# KiCad board The Typeuwu.kicad_pcb
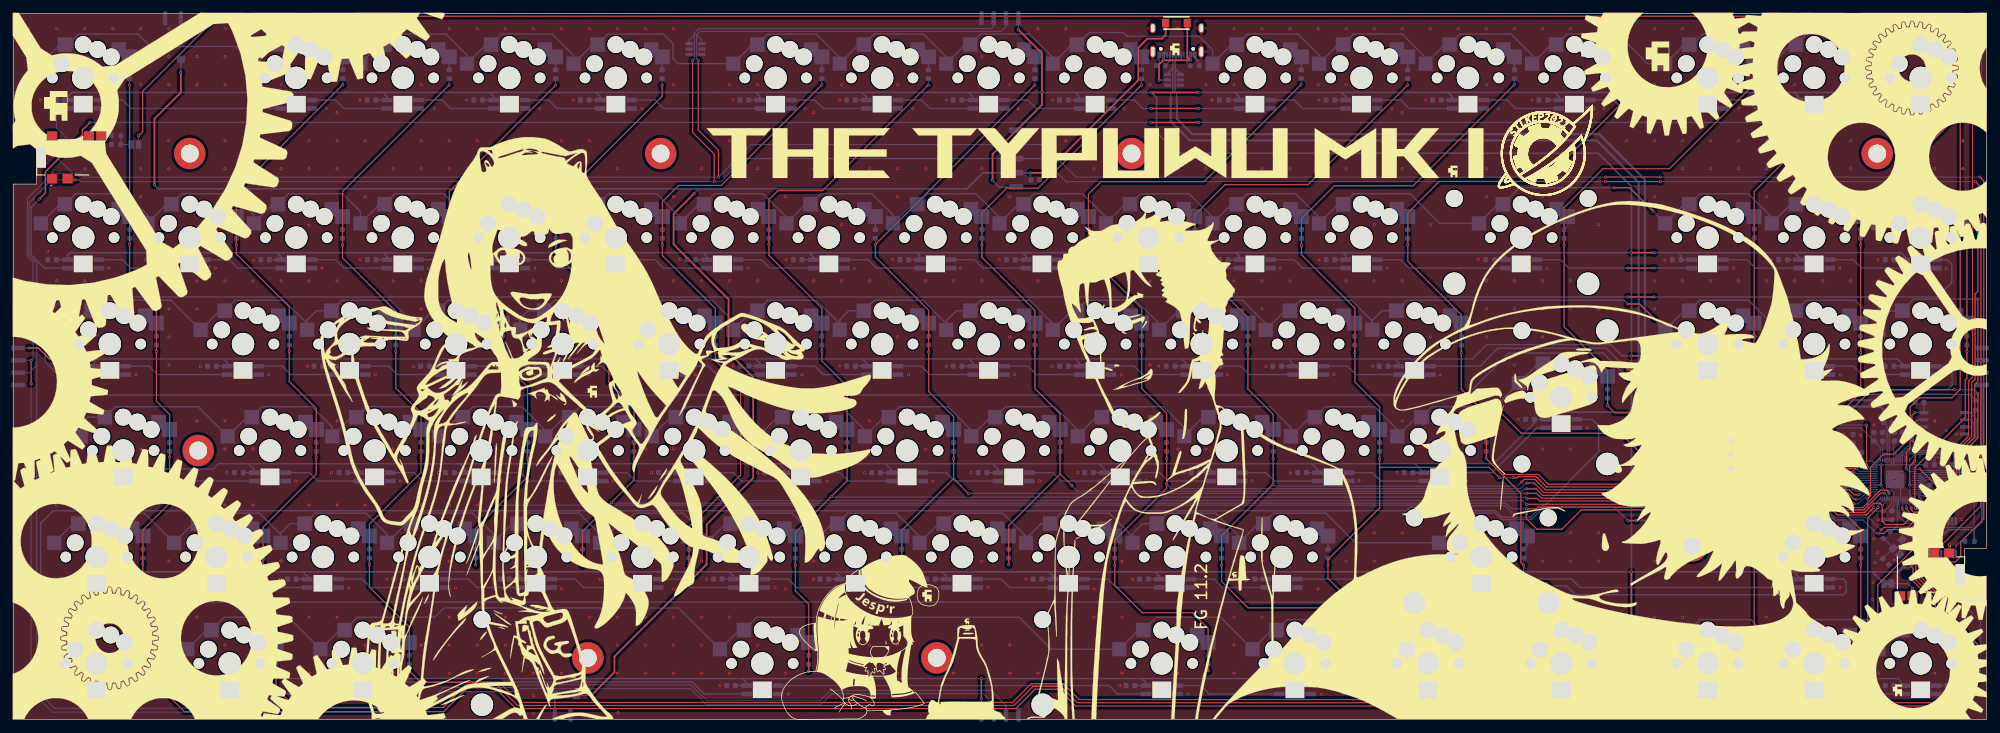
[diagram p0: board, top side]
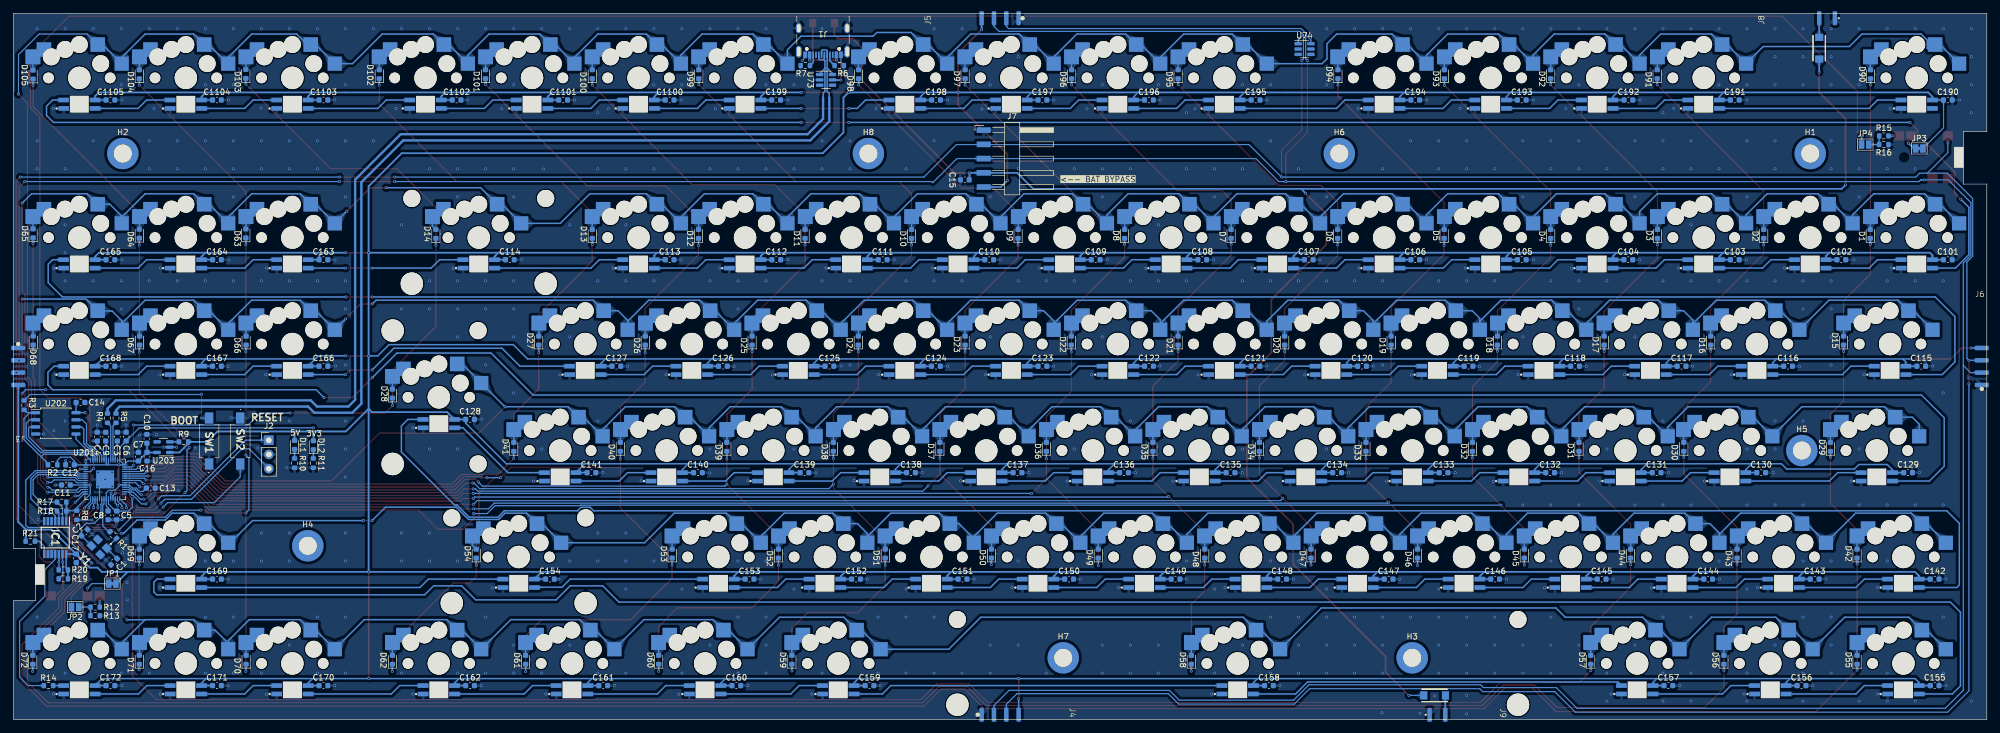
[diagram p1: board, bottom side, seen from below]

Outline 352 x 126 mm; copper layers: Top, In1.Cu, In2.Cu, Bottom. Coordinates in mm from the lower left corner of the outline.
Outline path: 0,126 352,126 352,30.55 348.1,30.55 348.1,21.2 352,21.2 352,0 0,0 0,95.55 4.2,95.55 4.2,104.9 0,104.9 0,126
Stack: Top 0.035mm / dielectric 0.2104mm FR4 er 4.6 / In1.Cu 0.0152mm / dielectric 1.065mm FR4 er 4.6 / In2.Cu 0.0152mm / dielectric 0.2104mm FR4 er 4.6 / Bottom 0.035mm

## Placement (name value [footprint] x y rotation side)
C1  8pF  [C_0603_1608Metric]  334.05 28.15 135 bottom
C2  8pF  [C_0603_1608Metric]  339.35 33.38 315 bottom
C3  1u  [C_0603_1608Metric]  333.48 50.48 90 bottom
C4  100nF  [C_0603_1608Metric]  337.05 50.48 90 bottom
C5  100nF  [C_0603_1608Metric]  333.57 36.42 270 bottom
C6  1u  [C_0603_1608Metric]  331.9 50.48 90 bottom
C7  100nF  [C_0603_1608Metric]  329.7 46.9 90 bottom
C8  100nF  [C_0603_1608Metric]  335.12 36.42 270 bottom
C9  100nF  [C_0603_1608Metric]  335.55 50.48 90 bottom
C10  100nF  [C_0603_1608Metric]  328.2 50.1 90 bottom
C11  100nF  [C_0603_1608Metric]  342.65 41.85 0 bottom
C12  100nF  [C_0603_1608Metric]  341.93 45.45 0 bottom
C13  100nF  [C_0603_1608Metric]  327.5 41.3 180 bottom
C14  100nF  [C_0603_1608Metric]  340.05 56.58 180 bottom
C15  1u  [C_0603_1608Metric]  182.3 96.3 0 bottom
C16  1u  [C_0603_1608Metric]  328.18 46.9 270 bottom
C17  100nF  [C_0603_1608Metric]  340.8 28.77 270 bottom
C101  100nF  [C_0603_1608Metric]  6.95 82.05 180 bottom
C102  100nF  [C_0603_1608Metric]  25.95 82.05 180 bottom
C103  100nF  [C_0603_1608Metric]  44.95 82.05 180 bottom
C104  100nF  [C_0603_1608Metric]  63.95 82.05 180 bottom
C105  100nF  [C_0603_1608Metric]  82.95 82.05 180 bottom
C106  100nF  [C_0603_1608Metric]  101.95 82.05 180 bottom
C107  100nF  [C_0603_1608Metric]  120.95 82.05 180 bottom
C108  100nF  [C_0603_1608Metric]  139.95 82.05 180 bottom
C109  100nF  [C_0603_1608Metric]  158.95 82.05 180 bottom
C110  100nF  [C_0603_1608Metric]  177.95 82.05 180 bottom
C111  100nF  [C_0603_1608Metric]  196.95 82.05 180 bottom
C112  100nF  [C_0603_1608Metric]  215.93 82.05 180 bottom
C113  100nF  [C_0603_1608Metric]  234.95 82.05 180 bottom
C114  100nF  [C_0603_1608Metric]  263.45 82.05 180 bottom
C115  100nF  [C_0603_1608Metric]  11.7 63.05 180 bottom
C116  100nF  [C_0603_1608Metric]  35.45 63.05 180 bottom
C117  100nF  [C_0603_1608Metric]  54.45 63.05 180 bottom
C118  100nF  [C_0603_1608Metric]  73.45 63.05 180 bottom
C119  100nF  [C_0603_1608Metric]  92.45 63.05 180 bottom
C120  100nF  [C_0603_1608Metric]  111.45 63.05 180 bottom
C121  100nF  [C_0603_1608Metric]  130.45 63.05 180 bottom
C122  100nF  [C_0603_1608Metric]  149.45 63.05 180 bottom
C123  100nF  [C_0603_1608Metric]  168.45 63.05 180 bottom
C124  100nF  [C_0603_1608Metric]  187.45 63.05 180 bottom
C125  100nF  [C_0603_1608Metric]  206.45 63.05 180 bottom
C126  100nF  [C_0603_1608Metric]  225.45 63.05 180 bottom
C127  100nF  [C_0603_1608Metric]  244.45 63.05 180 bottom
C128  100nF  [C_0603_1608Metric]  270.55 53.55 180 bottom
C129  100nF  [C_0603_1608Metric]  14.05 44.05 180 bottom
C130  100nF  [C_0603_1608Metric]  40.25 44.05 180 bottom
C131  100nF  [C_0603_1608Metric]  58.9 44.05 180 bottom
C132  100nF  [C_0603_1608Metric]  77.9 44.05 180 bottom
C133  100nF  [C_0603_1608Metric]  96.9 44.05 180 bottom
C134  100nF  [C_0603_1608Metric]  115.9 44.05 180 bottom
C135  100nF  [C_0603_1608Metric]  134.9 44.05 180 bottom
C136  100nF  [C_0603_1608Metric]  153.9 44.05 180 bottom
C137  100nF  [C_0603_1608Metric]  172.9 44.05 180 bottom
C138  100nF  [C_0603_1608Metric]  191.9 44.05 180 bottom
C139  100nF  [C_0603_1608Metric]  210.9 44.05 180 bottom
C140  100nF  [C_0603_1608Metric]  229.9 44.05 180 bottom
C141  100nF  [C_0603_1608Metric]  248.9 44.05 180 bottom
C142  100nF  [C_0603_1608Metric]  9.3 25.05 180 bottom
C143  100nF  [C_0603_1608Metric]  30.7 25.05 180 bottom
C144  100nF  [C_0603_1608Metric]  49.7 25.05 180 bottom
C145  100nF  [C_0603_1608Metric]  68.7 25.05 180 bottom
C146  100nF  [C_0603_1608Metric]  87.7 25.05 180 bottom
C147  100nF  [C_0603_1608Metric]  106.7 25.05 180 bottom
C148  100nF  [C_0603_1608Metric]  125.7 25.05 180 bottom
C149  100nF  [C_0603_1608Metric]  144.7 25.05 180 bottom
C150  100nF  [C_0603_1608Metric]  163.7 25.05 180 bottom
C151  100nF  [C_0603_1608Metric]  182.7 25.05 180 bottom
C152  100nF  [C_0603_1608Metric]  201.7 25.05 180 bottom
C153  100nF  [C_0603_1608Metric]  220.7 25.05 180 bottom
C154  100nF  [C_0603_1608Metric]  256.3 25.05 180 bottom
C155  100nF  [C_0603_1608Metric]  9.3 6.05 180 bottom
C156  100nF  [C_0603_1608Metric]  33.05 6.05 180 bottom
C157  100nF  [C_0603_1608Metric]  56.8 6.05 180 bottom
C158  100nF  [C_0603_1608Metric]  128.05 6.05 180 bottom
C159  100nF  [C_0603_1608Metric]  199.3 6.05 180 bottom
C160  100nF  [C_0603_1608Metric]  223.05 6.05 180 bottom
C161  100nF  [C_0603_1608Metric]  246.8 6.05 180 bottom
C162  100nF  [C_0603_1608Metric]  270.55 6.05 180 bottom
C163  100nF  [C_0603_1608Metric]  296.7 82.05 180 bottom
C164  100nF  [C_0603_1608Metric]  315.7 82.05 180 bottom
C165  100nF  [C_0603_1608Metric]  334.7 82.05 180 bottom
C166  100nF  [C_0603_1608Metric]  296.7 63.05 180 bottom
C167  100nF  [C_0603_1608Metric]  315.7 63.05 180 bottom
C168  100nF  [C_0603_1608Metric]  334.7 63.05 180 bottom
C169  100nF  [C_0603_1608Metric]  315.7 25.05 180 bottom
C170  100nF  [C_0603_1608Metric]  296.7 6.05 180 bottom
C171  100nF  [C_0603_1608Metric]  315.7 6.05 180 bottom
C172  100nF  [C_0603_1608Metric]  334.7 6.05 180 bottom
C190  100nF  [C_0603_1608Metric]  6.95 110.55 180 bottom
C191  100nF  [C_0603_1608Metric]  44.95 110.55 180 bottom
C192  100nF  [C_0603_1608Metric]  63.92 110.55 180 bottom
C193  100nF  [C_0603_1608Metric]  82.95 110.55 180 bottom
C194  100nF  [C_0603_1608Metric]  101.95 110.55 180 bottom
C195  100nF  [C_0603_1608Metric]  130.43 110.55 180 bottom
C196  100nF  [C_0603_1608Metric]  149.45 110.55 180 bottom
C197  100nF  [C_0603_1608Metric]  168.45 110.55 180 bottom
C198  100nF  [C_0603_1608Metric]  187.43 110.55 180 bottom
C199  100nF  [C_0603_1608Metric]  215.95 110.55 180 bottom
C1100  100nF  [C_0603_1608Metric]  234.95 110.55 180 bottom
C1101  100nF  [C_0603_1608Metric]  253.95 110.55 180 bottom
C1102  100nF  [C_0603_1608Metric]  272.95 110.55 180 bottom
C1103  100nF  [C_0603_1608Metric]  296.7 110.55 180 bottom
C1104  100nF  [C_0603_1608Metric]  315.7 110.55 180 bottom
C1105  100nF  [C_0603_1608Metric]  334.7 110.55 180 bottom
D01  -  [CD214A-B240LR]  207.5 124.3 0 top
D1  D_Small  [D_0603_1608Metric]  20.8 86.65 90 bottom
D2  D_Small  [D_0603_1608Metric]  39.8 86.65 90 bottom
D02  -  [CD214A-B240LR]  29.9 119.8 90 bottom
D03  -  [CD214A-B240LR]  98.5 4.3 180 bottom
D3  D_Small  [D_0603_1608Metric]  58.75 86.65 90 bottom
D4  D_Small  [D_0603_1608Metric]  77.8 86.65 90 bottom
D5  D_Small  [D_0603_1608Metric]  96.8 86.65 90 bottom
D6  D_Small  [D_0603_1608Metric]  115.8 86.65 90 bottom
D7  D_Small  [D_0603_1608Metric]  134.8 86.65 90 bottom
D8  D_Small  [D_0603_1608Metric]  153.8 86.65 90 bottom
D9  D_Small  [D_0603_1608Metric]  172.8 86.65 90 bottom
D10  D_Small  [D_0603_1608Metric]  191.8 86.65 90 bottom
D11  D_Small  [D_0603_1608Metric]  210.8 86.65 90 bottom
D12  D_Small  [D_0603_1608Metric]  229.8 86.65 90 bottom
D13  D_Small  [D_0603_1608Metric]  248.75 86.65 90 bottom
D14  D_Small  [D_0603_1608Metric]  276.65 86.65 90 bottom
D15  D_Small  [D_0603_1608Metric]  25.55 67.61 90 bottom
D16  D_Small  [D_0603_1608Metric]  49.25 67.61 90 bottom
D17  D_Small  [D_0603_1608Metric]  68.25 67.61 90 bottom
D18  D_Small  [D_0603_1608Metric]  87.3 67.61 90 bottom
D19  D_Small  [D_0603_1608Metric]  106.25 67.61 90 bottom
D20  D_Small  [D_0603_1608Metric]  125.25 67.61 90 bottom
D21  D_Small  [D_0603_1608Metric]  144.25 67.61 90 bottom
D22  D_Small  [D_0603_1608Metric]  163.3 67.61 90 bottom
D23  D_Small  [D_0603_1608Metric]  182.25 67.61 90 bottom
D24  D_Small  [D_0603_1608Metric]  201.3 67.61 90 bottom
D25  D_Small  [D_0603_1608Metric]  220.25 67.61 90 bottom
D26  D_Small  [D_0603_1608Metric]  239.3 67.61 90 bottom
D27  D_Small  [D_0603_1608Metric]  258.3 67.61 90 bottom
D28  D_Small  [D_0603_1608Metric]  284.4 58.15 90 bottom
D29  D_Small  [D_0603_1608Metric]  27.9 48.65 90 bottom
D30  D_Small  [D_0603_1608Metric]  54.05 48.65 90 bottom
D31  D_Small  [D_0603_1608Metric]  72.75 48.65 90 bottom
D32  D_Small  [D_0603_1608Metric]  91.75 48.65 90 bottom
D33  D_Small  [D_0603_1608Metric]  110.75 48.65 90 bottom
D34  D_Small  [D_0603_1608Metric]  129.75 48.65 90 bottom
D35  D_Small  [D_0603_1608Metric]  148.75 48.65 90 bottom
D36  D_Small  [D_0603_1608Metric]  167.75 48.65 90 bottom
D37  D_Small  [D_0603_1608Metric]  186.75 48.65 90 bottom
D38  D_Small  [D_0603_1608Metric]  205.75 48.65 90 bottom
D39  D_Small  [D_0603_1608Metric]  224.75 48.65 90 bottom
D40  D_Small  [D_0603_1608Metric]  243.75 48.65 90 bottom
D41  D_Small  [D_0603_1608Metric]  262.75 48.65 90 bottom
D42  D_Small  [D_0603_1608Metric]  23.15 29.6 90 bottom
D43  D_Small  [D_0603_1608Metric]  44.55 29.6 90 bottom
D44  D_Small  [D_0603_1608Metric]  63.55 29.6 90 bottom
D45  D_Small  [D_0603_1608Metric]  82.5 29.6 90 bottom
D46  D_Small  [D_0603_1608Metric]  101.55 29.6 90 bottom
D47  D_Small  [D_0603_1608Metric]  120.55 29.6 90 bottom
D48  D_Small  [D_0603_1608Metric]  139.5 29.6 90 bottom
D49  D_Small  [D_0603_1608Metric]  158.5 29.6 90 bottom
D50  D_Small  [D_0603_1608Metric]  177.55 29.6 90 bottom
D51  D_Small  [D_0603_1608Metric]  196.5 29.6 90 bottom
D52  D_Small  [D_0603_1608Metric]  215.55 29.6 90 bottom
D53  D_Small  [D_0603_1608Metric]  234.5 29.6 90 bottom
D54  D_Small  [D_0603_1608Metric]  269.45 29.6 90 bottom
D55  D_Small  [D_0603_1608Metric]  23.15 10.65 90 bottom
D56  D_Small  [D_0603_1608Metric]  46.9 10.65 90 bottom
D57  D_Small  [D_0603_1608Metric]  70.65 10.65 90 bottom
D58  D_Small  [D_0603_1608Metric]  141.9 10.65 90 bottom
D59  D_Small  [D_0603_1608Metric]  213.15 10.65 90 bottom
D60  D_Small  [D_0603_1608Metric]  236.9 10.65 90 bottom
D61  D_Small  [D_0603_1608Metric]  260.65 10.65 90 bottom
D62  D_Small  [D_0603_1608Metric]  284.4 10.65 90 bottom
D63  D_Small  [D_0603_1608Metric]  310.55 86.74 90 bottom
D64  D_Small  [D_0603_1608Metric]  329.55 86.69 90 bottom
D65  D_Small  [D_0603_1608Metric]  348.5 86.75 90 bottom
D66  D_Small  [D_0603_1608Metric]  310.5 67.61 90 bottom
D67  D_Small  [D_0603_1608Metric]  329.5 67.61 90 bottom
D68  D_Small  [D_0603_1608Metric]  348.48 67.62 90 bottom
D69  D_Small  [D_0603_1608Metric]  329.55 29.6 90 bottom
D70  D_Small  [D_0603_1608Metric]  310.5 10.65 90 bottom
D71  D_Small  [D_0603_1608Metric]  329.55 10.65 90 bottom
D72  D_Small  [D_0603_1608Metric]  348.55 10.65 90 bottom
D90  D_Small  [D_0603_1608Metric]  20.75 115.15 90 bottom
D91  D_Small  [D_0603_1608Metric]  58.8 115.15 90 bottom
D92  D_Small  [D_0603_1608Metric]  77.8 115.15 90 bottom
D93  D_Small  [D_0603_1608Metric]  96.75 115.15 90 bottom
D94  D_Small  [D_0603_1608Metric]  115.75 115.15 90 bottom
D95  D_Small  [D_0603_1608Metric]  144.25 115.15 90 bottom
D96  D_Small  [D_0603_1608Metric]  163.25 115.15 90 bottom
D97  D_Small  [D_0603_1608Metric]  182.25 115.15 90 bottom
D98  D_Small  [D_0603_1608Metric]  201.25 115.15 90 bottom
D99  D_Small  [D_0603_1608Metric]  229.75 115.15 90 bottom
D100  D_Small  [D_0603_1608Metric]  248.75 115.15 90 bottom
D101  D_Small  [D_0603_1608Metric]  267.8 115.15 90 bottom
D102  D_Small  [D_0603_1608Metric]  286.75 115.15 90 bottom
D103  D_Small  [D_0603_1608Metric]  310.55 115.2 90 bottom
D104  D_Small  [D_0603_1608Metric]  329.55 115.14 90 bottom
D105  D_Small  [D_0603_1608Metric]  348.5 115.09 90 bottom
DL1  PWR_5V  [D_0603_1608Metric]  301.85 49 90 bottom
DL2  PWR_3V3  [D_0603_1608Metric]  298.5 48.95 90 bottom
H1  MountingHole  [MountingHole_3.2mm_M3_DIN965_Pad]  31.5 101 180 bottom
H2  MountingHole  [MountingHole_3.2mm_M3_DIN965_Pad]  332.5 101 180 bottom
H3  MountingHole  [MountingHole_3.2mm_M3_DIN965_Pad]  102.5 11 180 bottom
H4  MountingHole  [MountingHole_3.2mm_M3_DIN965_Pad]  299.5 31 180 bottom
H5  MountingHole  [MountingHole_3.2mm_M3_DIN965_Pad]  33 48 180 bottom
H6  MountingHole  [MountingHole_3.2mm_M3_DIN965_Pad]  115.5 101 180 bottom
H7  MountingHole  [MountingHole_3.2mm_M3_DIN965_Pad]  164.75 11 180 bottom
H8  MountingHole  [MountingHole_3.2mm_M3_DIN965_Pad]  199.5 101 180 bottom
IC1  LSF0204QPWRQ1  [SOP65P640X120-14N]  344.55 32.46 270 bottom
J1  USB_C_Receptacle_USB2.0  [USB_C_Receptacle_GCT_USB4105-xx-A_16P_TopMnt_Horizontal]  207.6 122.29 0 bottom
J2  DEBUG  [PinHeader_1x03_P2.54mm_Vertical]  306.45 49.84 180 bottom
J3  Conn_01x04  [POGO Magnetic 4 Pin 2,2mm Horizontal]  350.9 63 0 bottom
J4  Conn_01x04  [POGO Magnetic 4 Pin 2,2mm Horizontal]  176 1.1 270 bottom
J5  Conn_01x04  [POGO Magnetic 4 Pin 2,2mm Horizontal]  176 124.9 90 bottom
J6  Conn_01x04  [POGO Magnetic 4 Pin 2,2mm Horizontal]  1.15 63 180 bottom
J7  M20-8900505  [Harwin_M20-89005xx_1x05_P2.54mm_Horizontal]  173.4 100.1 180 bottom
J8  Conn_01x02  [POGO Magnetic 2 Pin 2,8mm Horizontal]  28.5 125.65 90 bottom
J9  Conn_01x02  [POGO Magnetic 2 Pin 2,8mm Horizontal]  98 0.34 270 bottom
JP1  SolderJumper_2_Bridged  [SolderJumper-2_P1.3mm_Bridged_Pad1.0x1.5mm]  334.38 24.25 180 bottom
JP2  SolderJumper_2_Open  [SolderJumper-2_P1.3mm_Open_Pad1.0x1.5mm]  341 20.08 0 bottom
JP3  SolderJumper_2_Bridged  [SolderJumper-2_P1.3mm_Bridged_Pad1.0x1.5mm]  12.05 101.9 180 bottom
JP4  SolderJumper_2_Open  [SolderJumper-2_P1.3mm_Open_Pad1.0x1.5mm]  21.7 102.6 0 bottom
R1  1k  [R_0603_1608Metric]  334.19 32.92 45 bottom
R2  10k  [R_0603_1608Metric]  345 45.45 0 bottom
R3  1k  [R_0603_1608Metric]  350.1 56.1 270 bottom
R4  27.4  [R_0603_1608Metric]  335.23 53.77 270 bottom
R5  27.4  [R_0603_1608Metric]  333.7 53.77 270 bottom
R6  5k1  [R_0603_1608Metric]  204.7 116.7 180 bottom
R7  5k1  [R_0603_1608Metric]  210.75 116.7 0 bottom
R8  10k  [R_0603_1608Metric]  340.7 36.45 270 bottom
R9  10k  [R_0603_1608Metric]  321.65 49.55 0 bottom
R10  R  [R_0603_1608Metric]  301.86 45.75 270 bottom
R11  R  [R_0603_1608Metric]  298.52 45.75 270 bottom
R12  1k  [R_0603_1608Metric]  337.43 20.05 0 bottom
R13  2k2  [R_0603_1608Metric]  337.43 18.53 0 bottom
R14  330  [R_0603_1608Metric]  345.75 6.05 0 bottom
R15  1k  [R_0603_1608Metric]  18.38 104.15 0 bottom
R16  2k2  [R_0603_1608Metric]  18.38 102.6 0 bottom
R17  2k2  [R_0603_1608Metric]  343.4 38.8 0 bottom
R18  2k2  [R_0603_1608Metric]  343.4 37.2 0 bottom
R19  2k2  [R_0603_1608Metric]  343.1 25.1 0 bottom
R20  2k2  [R_0603_1608Metric]  343.1 26.7 0 bottom
R21  1k  [R_0603_1608Metric]  349 31.8 180 bottom
S1  SJ2-35954B-SMT-TR  [SJ235954BSMTTR]  342.9 25.88 180 top
S2  SJ2-35954B-SMT-TR  [SJ235954BSMTTR]  9.4 100.33 0 top
STAB14  ~  [Stabilizer_Cherry_MX_2.00u]  269 86 0 top
STAB54  ~  [Stabilizer_Cherry_MX_2.00u]  261.88 29 0 top
STAB58  ~  [Stabilizer_Cherry_MX_6.25u]  133.62 10.85 0 top
SW1  BOOT  [PTS636SP50SMTRLFS]  317.1 49.7 90 bottom
SW2  RESET  [PTS636SP50SMTRLFS]  311.55 49.7 270 bottom
U1  Multi_Hotswap_with_RGB  [Multi Hotswap with RGB 1U]  12.5 86 0 top
U2  Multi_Hotswap_with_RGB  [Multi Hotswap with RGB 1U]  31.5 86 0 top
U3  Multi_Hotswap_with_RGB  [Multi Hotswap with RGB 1U]  50.5 86 0 top
U4  Multi_Hotswap_with_RGB  [Multi Hotswap with RGB 1U]  69.5 86 0 top
U5  Multi_Hotswap_with_RGB  [Multi Hotswap with RGB 1U]  88.5 86 0 top
U6  Multi_Hotswap_with_RGB  [Multi Hotswap with RGB 1U]  107.5 86 0 top
U7  Multi_Hotswap_with_RGB  [Multi Hotswap with RGB 1U]  126.5 86 0 top
U8  Multi_Hotswap_with_RGB  [Multi Hotswap with RGB 1U]  145.5 86 0 top
U9  Multi_Hotswap_with_RGB  [Multi Hotswap with RGB 1U]  164.5 86 0 top
U10  Multi_Hotswap_with_RGB  [Multi Hotswap with RGB 1U]  183.5 86 0 top
U11  Multi_Hotswap_with_RGB  [Multi Hotswap with RGB 1U]  202.5 86 0 top
U12  Multi_Hotswap_with_RGB  [Multi Hotswap with RGB 1U]  221.5 86 0 top
U13  Multi_Hotswap_with_RGB  [Multi Hotswap with RGB 1U]  240.5 86 0 top
U14  Multi_Hotswap_with_RGB  [Multi Hotswap with RGB 2U]  269 86 0 top
U15  Multi_Hotswap_with_RGB  [Multi Hotswap with RGB 1,5U]  17.25 67 0 top
U16  Multi_Hotswap_with_RGB  [Multi Hotswap with RGB 1U]  41 67 0 top
U17  Multi_Hotswap_with_RGB  [Multi Hotswap with RGB 1U]  60 67 0 top
U18  Multi_Hotswap_with_RGB  [Multi Hotswap with RGB 1U]  79 67 0 top
U19  Multi_Hotswap_with_RGB  [Multi Hotswap with RGB 1U]  98 67 0 top
U20  Multi_Hotswap_with_RGB  [Multi Hotswap with RGB 1U]  117 67 0 top
U21  Multi_Hotswap_with_RGB  [Multi Hotswap with RGB 1U]  136 67 0 top
U22  Multi_Hotswap_with_RGB  [Multi Hotswap with RGB 1U]  155 67 0 top
U23  Multi_Hotswap_with_RGB  [Multi Hotswap with RGB 1U]  174 67 0 top
U24  Multi_Hotswap_with_RGB  [Multi Hotswap with RGB 1U]  193 67 0 top
U25  Multi_Hotswap_with_RGB  [Multi Hotswap with RGB 1U]  212 67 0 top
U26  Multi_Hotswap_with_RGB  [Multi Hotswap with RGB 1U]  231 67 0 top
U27  Multi_Hotswap_with_RGB  [Multi Hotswap with RGB 1U]  250 67 0 top
U28  Multi_Hotswap_with_RGB  [Multi Hotswap with RGB ISO Enter]  276.12 57.5 0 top
U29  Multi_Hotswap_with_RGB  [Multi Hotswap with RGB 1,75U]  19.62 48 0 top
U30  Multi_Hotswap_with_RGB  [Multi Hotswap with RGB 1U]  45.82 48 0 top
U31  Multi_Hotswap_with_RGB  [Multi Hotswap with RGB 1U]  64.47 48 0 top
U32  Multi_Hotswap_with_RGB  [Multi Hotswap with RGB 1U]  83.47 48 0 top
U33  Multi_Hotswap_with_RGB  [Multi Hotswap with RGB 1U]  102.47 48 0 top
U34  Multi_Hotswap_with_RGB  [Multi Hotswap with RGB 1U]  121.47 48 0 top
U35  Multi_Hotswap_with_RGB  [Multi Hotswap with RGB 1U]  140.47 48 0 top
U36  Multi_Hotswap_with_RGB  [Multi Hotswap with RGB 1U]  159.47 48 0 top
U37  Multi_Hotswap_with_RGB  [Multi Hotswap with RGB 1U]  178.47 48 0 top
U38  Multi_Hotswap_with_RGB  [Multi Hotswap with RGB 1U]  197.47 48 0 top
U39  Multi_Hotswap_with_RGB  [Multi Hotswap with RGB 1U]  216.47 48 0 top
U40  Multi_Hotswap_with_RGB  [Multi Hotswap with RGB 1U]  235.47 48 0 top
U41  Multi_Hotswap_with_RGB  [Multi Hotswap with RGB 1U]  254.47 48 0 top
U42  Multi_Hotswap_with_RGB  [Multi Hotswap with RGB 1,25U]  14.88 29 0 top
U43  Multi_Hotswap_with_RGB  [Multi Hotswap with RGB 1U]  36.25 29 0 top
U44  Multi_Hotswap_with_RGB  [Multi Hotswap with RGB 1U]  55.25 29 0 top
U45  Multi_Hotswap_with_RGB  [Multi Hotswap with RGB 1U]  74.25 29 0 top
U46  Multi_Hotswap_with_RGB  [Multi Hotswap with RGB 1U]  93.25 29 0 top
U47  Multi_Hotswap_with_RGB  [Multi Hotswap with RGB 1U]  112.25 29 0 top
U48  Multi_Hotswap_with_RGB  [Multi Hotswap with RGB 1U]  131.25 29 0 top
U49  Multi_Hotswap_with_RGB  [Multi Hotswap with RGB 1U]  150.25 29 0 top
U50  Multi_Hotswap_with_RGB  [Multi Hotswap with RGB 1U]  169.25 29 0 top
U51  Multi_Hotswap_with_RGB  [Multi Hotswap with RGB 1U]  188.25 29 0 top
U52  Multi_Hotswap_with_RGB  [Multi Hotswap with RGB 1U]  207.25 29 0 top
U53  Multi_Hotswap_with_RGB  [Multi Hotswap with RGB 1U]  226.25 29 0 top
U54  Multi_Hotswap_with_RGB  [Multi Hotswap with RGB 2,75U]  261.88 29 0 top
U55  Multi_Hotswap_with_RGB  [Multi Hotswap with RGB 1,25U]  14.88 10 0 top
U56  Multi_Hotswap_with_RGB  [Multi Hotswap with RGB 1,25U]  38.62 10 0 top
U57  Multi_Hotswap_with_RGB  [Multi Hotswap with RGB 1,25U]  62.38 10 0 top
U58  Multi_Hotswap_with_RGB  [Multi Hotswap with RGB 6,25U]  133.62 10 0 top
U59  Multi_Hotswap_with_RGB  [Multi Hotswap with RGB 1,25U]  204.88 10 0 top
U60  Multi_Hotswap_with_RGB  [Multi Hotswap with RGB 1,25U]  228.62 10 0 top
U61  Multi_Hotswap_with_RGB  [Multi Hotswap with RGB 1,25U]  252.38 10 0 top
U62  Multi_Hotswap_with_RGB  [Multi Hotswap with RGB 1,25U]  276.12 10 0 top
U63  Multi_Hotswap_with_RGB  [Multi Hotswap with RGB 1U]  302.25 86 0 top
U64  Multi_Hotswap_with_RGB  [Multi Hotswap with RGB 1U]  321.25 86 0 top
U65  Multi_Hotswap_with_RGB  [Multi Hotswap with RGB 1U]  340.25 86 0 top
U66  Multi_Hotswap_with_RGB  [Multi Hotswap with RGB 1U]  302.25 67 0 top
U67  Multi_Hotswap_with_RGB  [Multi Hotswap with RGB 1U]  321.25 67 0 top
U68  Multi_Hotswap_with_RGB  [Multi Hotswap with RGB 1U]  340.25 67 0 top
U69  Multi_Hotswap_with_RGB  [Multi Hotswap with RGB 1U]  321.25 29 0 top
U70  Multi_Hotswap_with_RGB  [Multi Hotswap with RGB 1U]  302.25 10 0 top
U71  Multi_Hotswap_with_RGB  [Multi Hotswap with RGB 1U]  321.25 10 0 top
U72  Multi_Hotswap_with_RGB  [Multi Hotswap with RGB 1U]  340.25 10 0 top
U73  SRV05-4  [SOT-23-6]  207.05 114.15 180 bottom
U74  SRV05-4  [SOT-23-6]  121.7 119.65 180 bottom
U90  Multi_Hotswap_with_RGB  [Multi Hotswap with RGB 1U]  12.5 114.5 0 top
U91  Multi_Hotswap_with_RGB  [Multi Hotswap with RGB 1U]  50.5 114.5 0 top
U92  Multi_Hotswap_with_RGB  [Multi Hotswap with RGB 1U]  69.5 114.5 0 top
U93  Multi_Hotswap_with_RGB  [Multi Hotswap with RGB 1U]  88.5 114.5 0 top
U94  Multi_Hotswap_with_RGB  [Multi Hotswap with RGB 1U]  107.5 114.5 0 top
U95  Multi_Hotswap_with_RGB  [Multi Hotswap with RGB 1U]  136 114.5 0 top
U96  Multi_Hotswap_with_RGB  [Multi Hotswap with RGB 1U]  155 114.5 0 top
U97  Multi_Hotswap_with_RGB  [Multi Hotswap with RGB 1U]  174 114.5 0 top
U98  Multi_Hotswap_with_RGB  [Multi Hotswap with RGB 1U]  193 114.5 0 top
U99  Multi_Hotswap_with_RGB  [Multi Hotswap with RGB 1U]  221.5 114.5 0 top
U100  Multi_Hotswap_with_RGB  [Multi Hotswap with RGB 1U]  240.5 114.5 0 top
U101  Multi_Hotswap_with_RGB  [Multi Hotswap with RGB 1U]  259.5 114.5 0 top
U102  Multi_Hotswap_with_RGB  [Multi Hotswap with RGB 1U]  278.5 114.5 0 top
U103  Multi_Hotswap_with_RGB  [Multi Hotswap with RGB 1U]  302.25 114.5 0 top
U104  Multi_Hotswap_with_RGB  [Multi Hotswap with RGB 1U]  321.25 114.5 0 top
U105  Multi_Hotswap_with_RGB  [Multi Hotswap with RGB 1U]  340.25 114.5 0 top
U201  RP2040  [QFN-56-1EP_7x7mm_P0.4mm_EP3.2x3.2mm]  335.65 42.85 180 bottom
U202  W25Q128JVS  [SOIC-8_5.23x5.23mm_P1.27mm]  344.45 52.85 180 bottom
U203  AP2112K-3.3  [SOT-23-5]  325.25 48.6 0 bottom
Y1  NX3225SA-12.000000MHZ  [NX3225SA12MHZSTDCSR3]  336.73 30.77 45 bottom
